# Altium PCB scoreboard.PcbDoc
Units mil, origin at the board's own origin, x right, y up, seen from the top; angles counter-clockwise.
Board outline 3937.01 x 3937.01 mil, 2 copper layers (Top Layer, Bottom Layer); 56 components, 74 nets, 317 pads, 130 vias.
Unrouted connection lines stored in the file: 31.
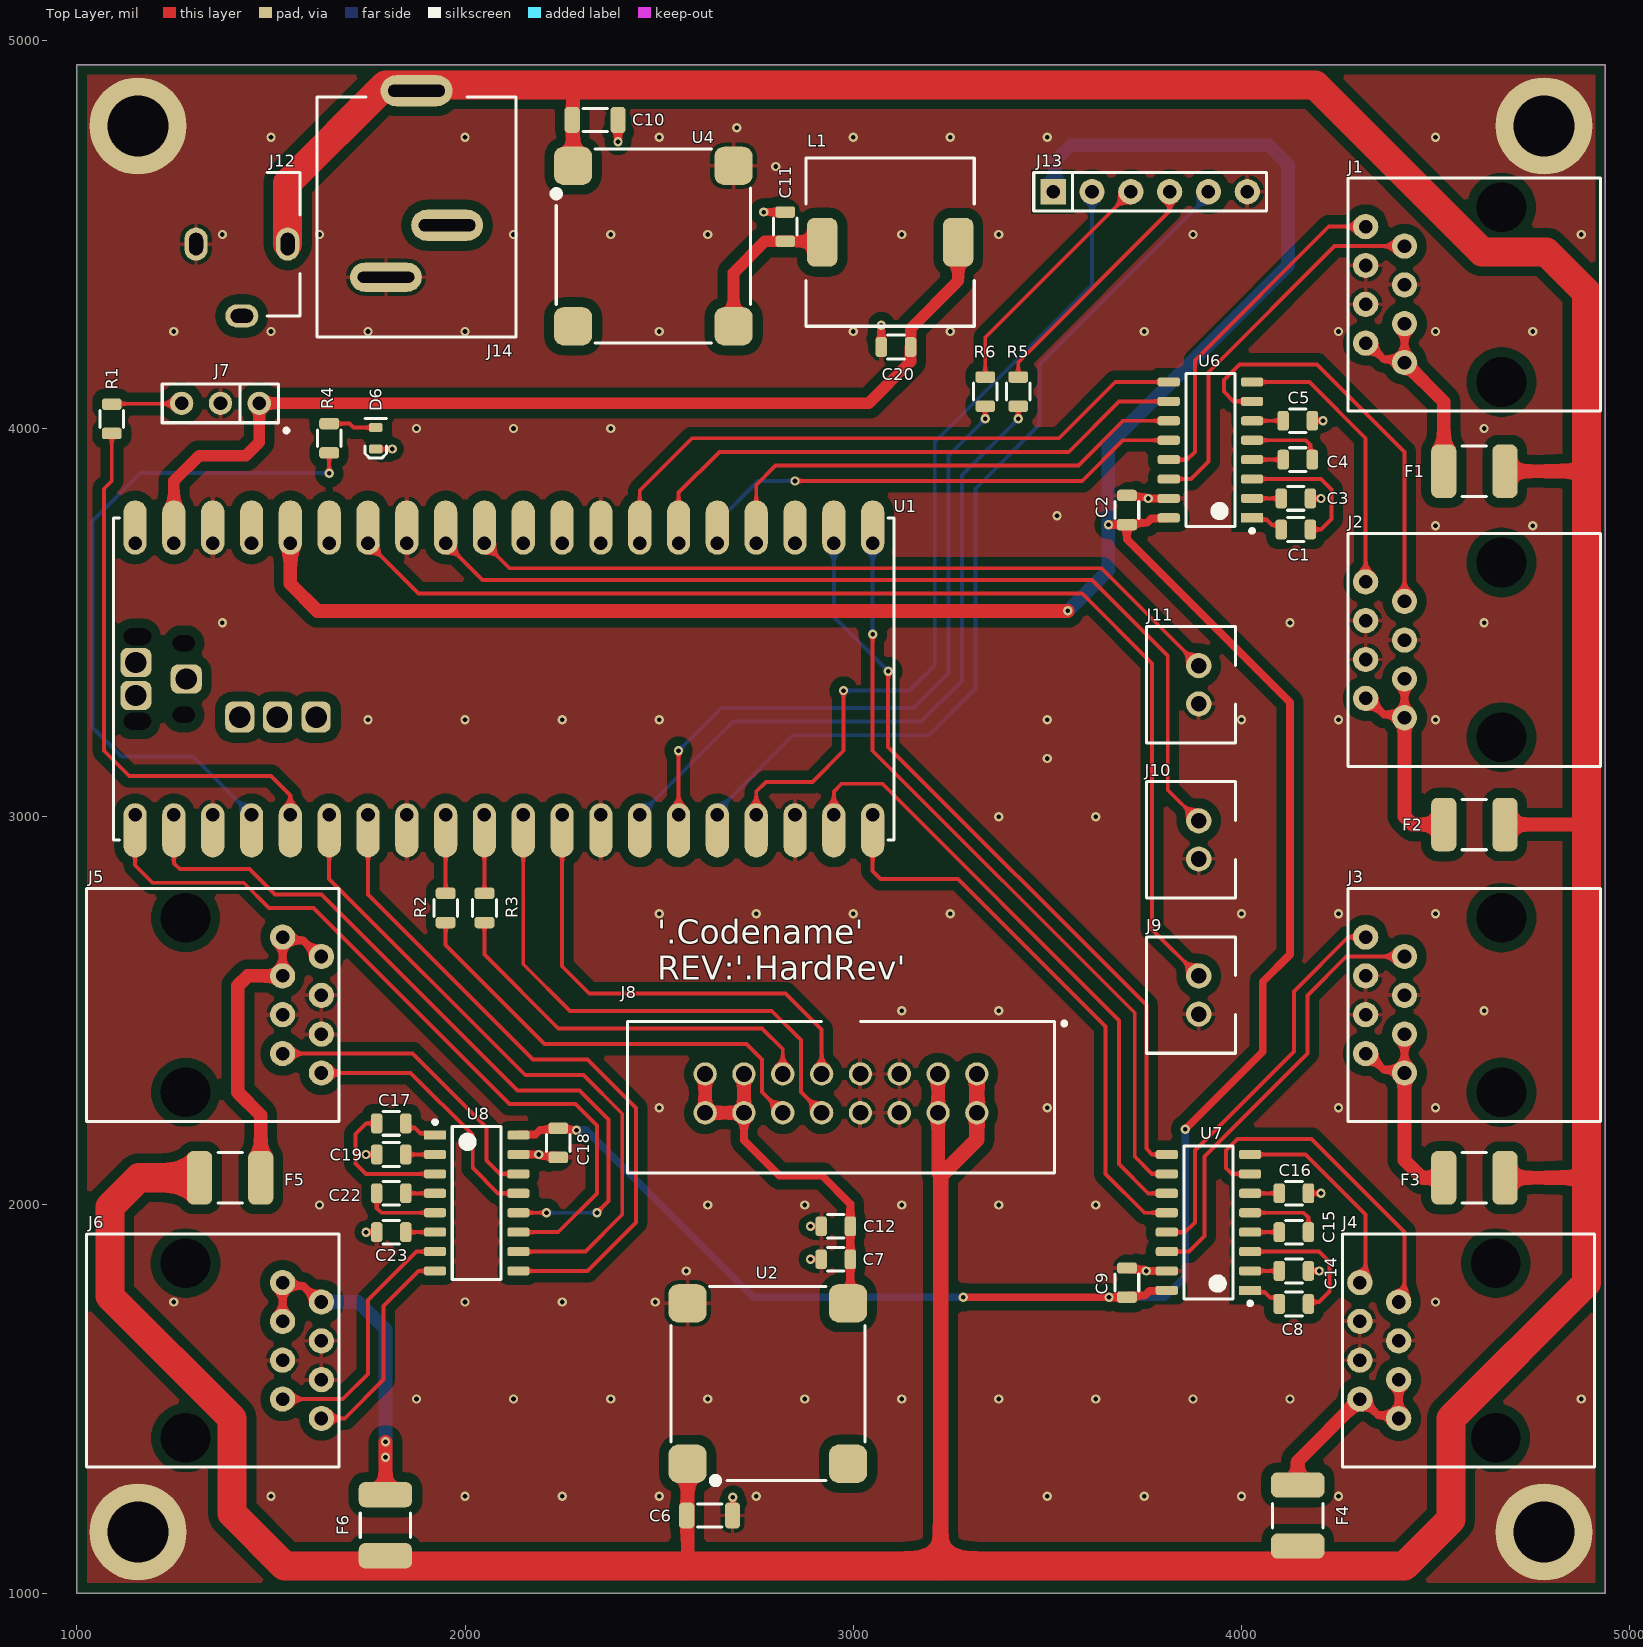
[diagram p0: Top Layer view]
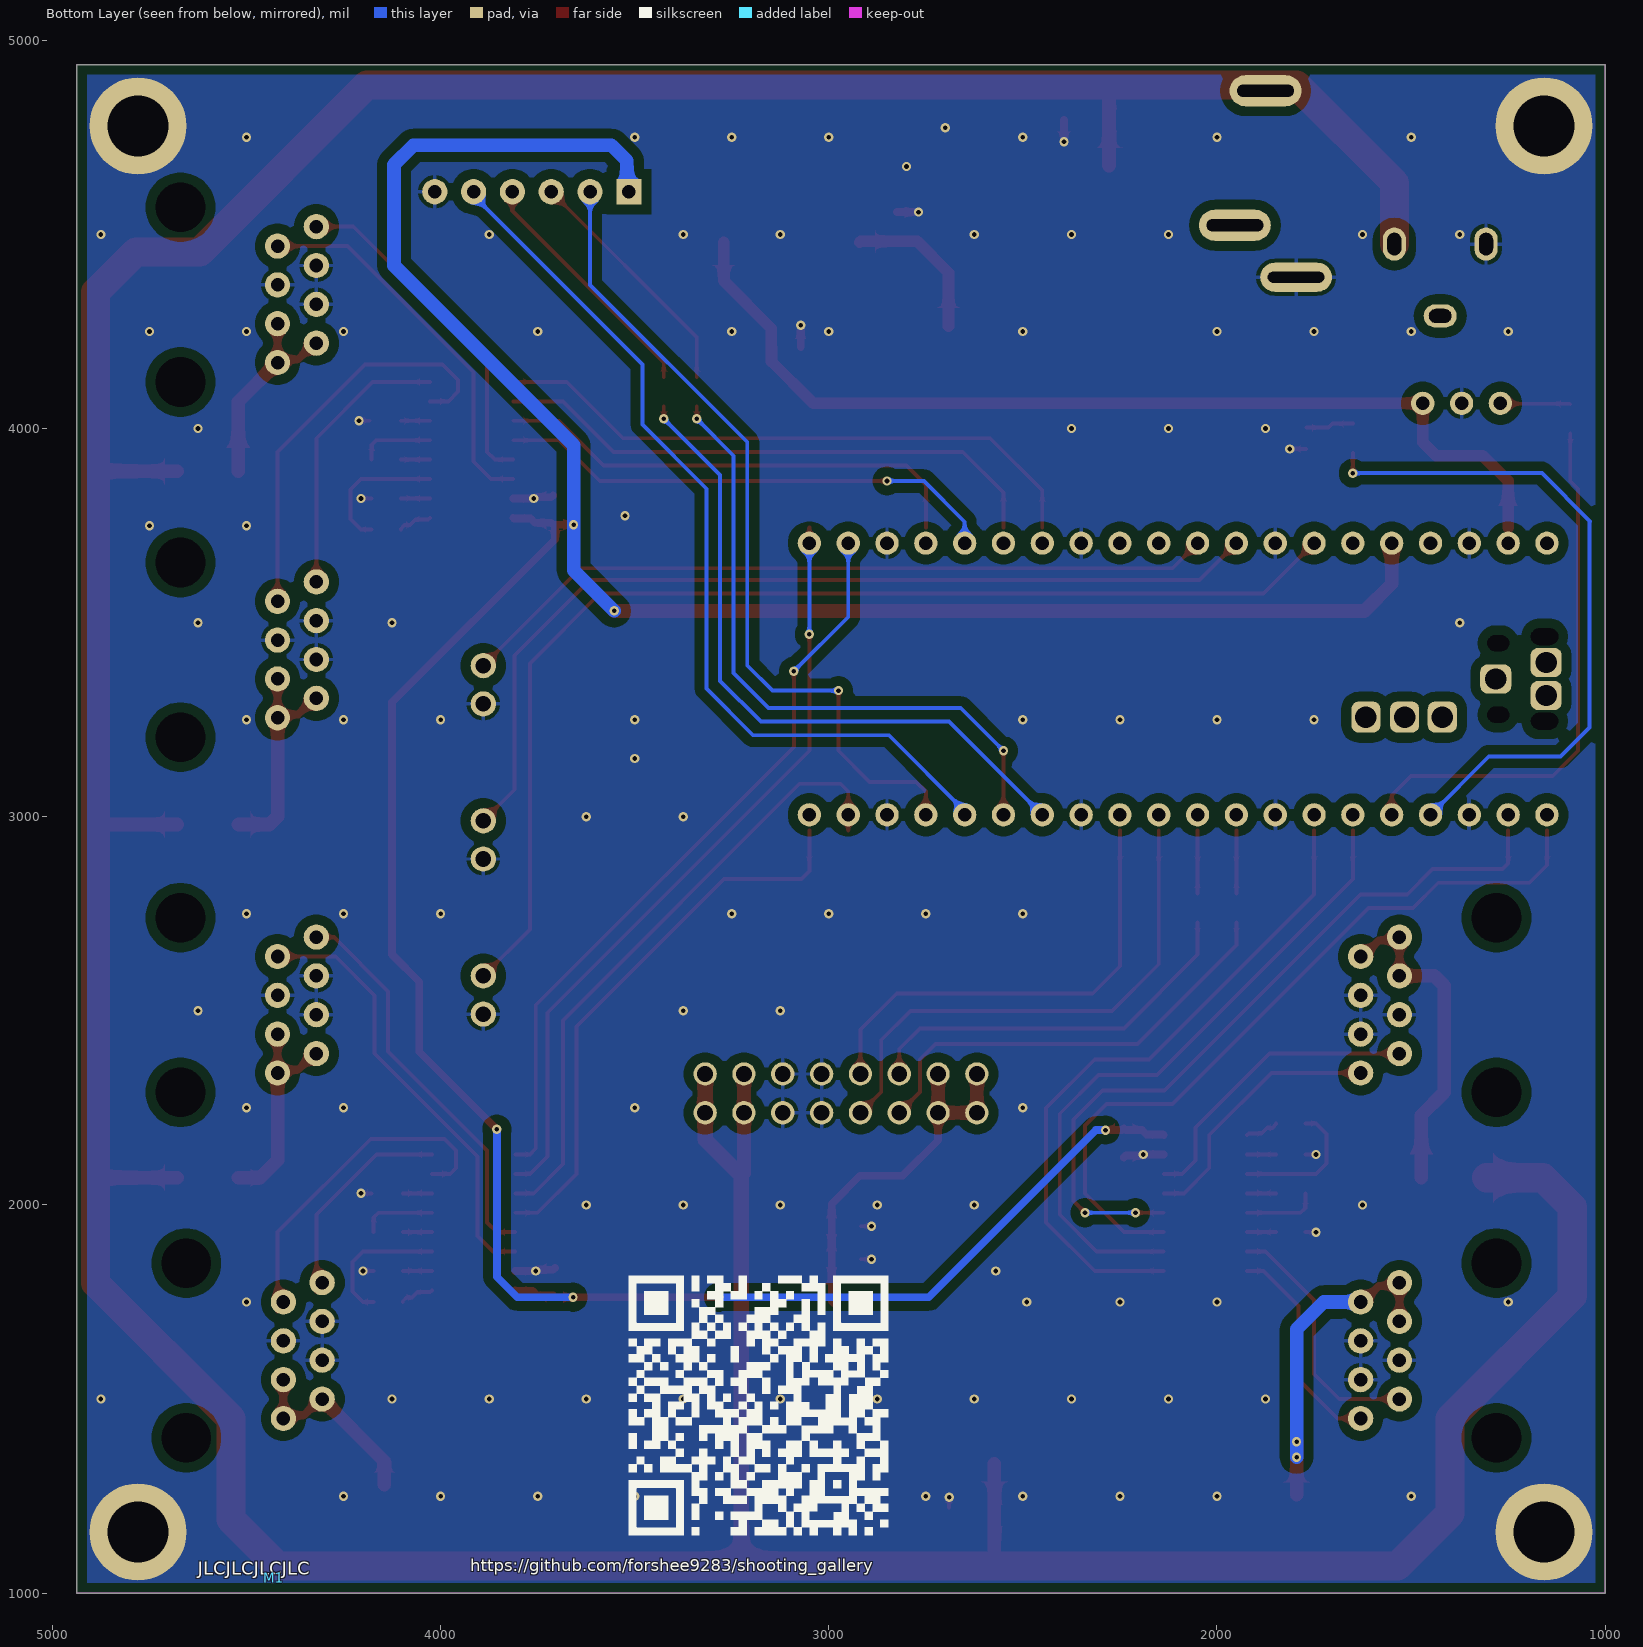
[diagram p1: Bottom Layer view, seen from below]

## Layer stack, top to bottom
Top Solder: solder mask 0.4, Solder Resist, Dk 3.5
Top Layer: signal copper 1.4
Dielectric 1: dielectric 12.6, FR-4, Dk 4.8
Bottom Layer: signal copper 1.4
Bottom Solder: solder mask 0.4, Solder Resist, Dk 3.5

## Board outline
1000,1000 4937.01,1000 4937.01,4937.01 1000,4937.01

## Design rules (kind name [scope] priority, off if disabled: settings)
Clearance Clearance_Poly [InPolygon] p1: gap=25 ignorepadtopadclearanceinfootprint=FALSE
Clearance [All] p2: gap=10 ignorepadtopadclearanceinfootprint=FALSE
HoleSize [All] p1: absolutevalues=TRUE maxlimit=99999 minlimit=1 maxpercent=80.000 minpercent=20.000
MinimumSolderMaskSliver [All] p1: minsoldermaskwidth=2
PolygonConnect PolygonConnect_Mount [IsPad and not InAnyComponent] p1: connectstyle=Direct reliefconductorwidth=10 reliefentries=4 polygonreliefangle="90 Angle" airgapwidth=10
PolygonConnect [All] p2: thpad.connectstyle=Relief thpad.reliefconductorwidth=10 thpad.reliefentries=4 thpad.polygonreliefangle="90 Angle" thpad.airgapwidth=10 smdpad.connectstyle=Relief smdpad.reliefconductorwidth=10 smdpad.reliefentries=4 smdpad.polygonreliefangle="90 Angle" smdpad.airgapwidth=10 via.connectstyle=Direct via.reliefconductorwidth=10 via.reliefentries=4 via.polygonreliefangle="90 Angle" via.airgapwidth=10
RoutingVias [All] p1: holewidth=28 width=50 viastyle="Through Hole" minholewidth=28 minwidth=50 maxholewidth=28 maxwidth=50
SilkToSilkClearance [All] p1: silktosilkclearance=0
SilkToSolderMaskClearance [IsPad] p1: minsilkscreentomaskgap=1 clearancetoexposedcopper=TRUE
SolderMaskExpansion [All] p1: expansion=2 istentingtop=FALSE
Width [All] p1: maxlimit=9999 minlimit=10 preferedwidth=10
26 further rules are at their usual default settings.

## Classes and differential pairs
component class RS232: C1 C2 C3 C4 C5 C8 C9 C14 C15 C16 C17 C18 C19 C22 C23 C? F1 F2 F3 F4 F5 F6 J1 J2 J3 J4 J5 J6 U6 U7 U8 U?
component class pico: C6 C7 C10 C11 C12 C20 D6 J7 J8 J9 J10 J11 J12 J13 J14 L1 M1 R1 R2 R3 R4 R5 R6 U1 U2 U4

## Components (designator, comment, footprint, x,y, rotation, side; value= is the part's Value field where it differs from the comment)
C1 "0.1µF" Chip0805 4140,3740 r180 top
C2 "0.1µF" Chip0805 3705,3790 r270 top
C3 "0.1µF" Chip0805 4140,3820 r180 top
C4 "0.1µF" Chip0805 4145,3920 r180 top
C5 "0.1µF" Chip0805 4145,4020 r180 top
C6 "10µF" Chip1206 2630,1200 r180 top
C7 "22µF" Chip0805 2955,1860 r0 top
C8 "0.1µF" Chip0805 4135,1745 r180 top
C9 "0.1µF" Chip0805 3705,1800 r270 top
C10 "10µF" Chip1206 2335,4795 r180 top
C11 "22µF" Chip0805 2825,4520 r270 top
C12 "22µF" Chip0805 2955,1945 r0 top
C14 "0.1µF" Chip0805 4135,1830 r180 top
C15 "0.1µF" Chip0805 4135,1930 r180 top
C16 "0.1µF" Chip0805 4135,2030 r180 top
C17 "0.1µF" Chip0805 1810,2210 r0 top
C18 "0.1µF" Chip0805 2240,2160 r90 top
C19 "0.1µF" Chip0805 1810,2130 r0 top
C20 "22µF" Chip0805 3110,4210 r0 top
C22 "0.1µF" Chip0805 1810,2030 r0 top
C23 "0.1µF" Chip0805 1810,1930 r0 top
D6 "GREEN" LED0603 1770,3975 r270 top
F1 "350mA" Chip1812 4600,3890 r180 top
F2 "350mA" Chip1812 4600,2980 r180 top
F3 "350mA" Chip1812 4600,2070 r180 top
F4 "350mA" Chip1812 4145,1200 r90 top
F5 "350mA" Chip1812 1395,2070 r0 top
F6 "350mA" Chip1812 1795,1175 r90 top
J1 "949" KEYSTONE_949 4670,4345 r90 top
J2 "949" KEYSTONE_949 4670,3430 r90 top
J3 "949" KEYSTONE_949 4670,2515 r90 top
J4 "949" KEYSTONE_949 4655,1625 r90 top
J5 "949" KEYSTONE_949 1280,2515 r270 top
J6 "949" KEYSTONE_949 1280,1625 r270 top
J7 "3-644456-3" TE_3-644456-3 1370,4065 r180 top
J8 "75869-103LF" IDC_100_2x8 2968.5,2287.48 r180 top
J9 "B2B-XH-A" JST_B2B-XH-A 3890,2540.79 r90 top
J10 "B2B-XH-A" JST_B2B-XH-A 3890,2940.39 r90 top
J11 "B2B-XH-A" JST_B2B-XH-A 3890,3340 r90 top
J12 "PJ-102B" CUI_PJ-102B 1425,4475 r90 top
J13 "3-644456-6" TE_3-644456-6 3765,4610 r0 top
J14 "PJ-009BH" CUI_PJ-009BH 1875,4630 r0 top
L1 "22µH" Sumida_CDRH105R 3095.2,4480 r90 top
M1 "JLC_NUMBER" JLC_NUMBER 4430,1040 r180 bottom
R1 "330" Chip0805 1090,4025 r90 top
R2 "22.1" Chip0805 1950,2765 r270 top
R3 "22.1" Chip0805 2050,2765 r270 top
R4 "470" Chip0805 1650,3975 r270 top
R5 "22.1" Chip0805 3425,4095 r90 top
R6 "22.1" Chip0805 3340,4095 r90 top
U1 "Raspberry Pi Pico" RASPBERRY_PI_PICO 2100,3355 r90 top
U2 "K7803JT-500R3-LB" MORNSUN_K78XXJT-500R3-LB 2780,1540 r90 top
U4 "K7805JT-500R3-LB" MORNSUN_K78XXJT-500R3-LB 2485,4470 r0 top
U6 "MAX3232EIDR" 16-SOIC 3920,3945 r180 top
U7 "MAX3232EIDR" 16-SOIC 3915,1955 r180 top
U8 "MAX3232EIDR" 16-SOIC 2030,2005 r0 top

## Footprints (in the part's own frame and the unit in brackets; to place one, negate y for a bottom-side part, rotate by r counter-clockwise, add the part's x,y. Pads: shape width x height; smd on the part's side, far side on the other; paste and mask are expansions set on the pad)
16-SOIC [mm] "SOIC, 16-Leads, Body 9.90x3.90mm, Pitch 1.27mm, IPC Medium Density"
  rect 1.45x0.6 smd: 1(-2.725,4.445)
  rrect50% 1.45x0.6 smd: 2(-2.725,3.175) 3(-2.725,1.905) 4(-2.725,0.635) 5(-2.725,-0.635) 6(-2.725,-1.905) 7(-2.725,-3.175) 8(-2.725,-4.445) 9(2.725,-4.445) 10(2.725,-3.175) 11(2.725,-1.905) 12(2.725,-0.635) 13(2.725,0.635) 14(2.725,1.905) 15(2.725,3.175) 16(2.725,4.445)
  silkscreen extent -2.85,-5 1.6,5.42, body extent -2,-5 2,5, height 1.75
Chip0805 [mm] "Chip Resistor, 2-Leads, Body 2.05x1.25mm, IPC Medium Density"
  rrect50% 0.75x1.3 smd: 1(-0.955,0) 2(0.955,0)
  silkscreen extent -0.55,-0.77 0.55,0.77, body extent -0.95,-0.55 0.95,0.55, height 0.5
Chip1206 [mm] "Chip Resistor, 2-Leads, Body 3.15x1.60mm, IPC Medium Density"
  rrect50% 1x1.7 smd: 1(-1.5,0) 2(1.5,0)
  silkscreen extent -0.8,-0.75 0.8,0.75, body extent -1.5,-0.72 1.5,0.72, height 0.6
Chip1812 [mm] "Chip Resistor, 2-Leads, Body 4.50x3.20mm, IPC Medium Density"
  rrect50% 1.65x3.5 smd: 1(-2,0) 2(2,0)
  silkscreen extent -0.8,-1.65 0.8,1.65, body extent -2.4,-1.75 2.4,1.75, height 2.2
CUI_PJ-009BH [mil]
  oval 185x80 hole 32 slot 146 at 0 deg: 1(0,240.16) 3(78.74,-106.3)
  oval 185x75 hole 27.56 slot 145.67 at 0 deg: 2(-78.74,-240.16)
  silkscreen extent -256,-394 256,224
CUI_PJ-102B [mil]
  oval 85x60 hole 36 slot 58 at 0 deg: 1(0,-118) 2(0,118)
  oval 60x85 hole 36 slot 58 at 90 deg: 3(-185,0)
  silkscreen extent -185,-150 185,-65, body extent -195,-145 175,422, height 452
IDC_100_2x8 [mil]
  round 60 hole 41: 1(-350,-50) 2(-350,50) 3(-250,-50) 4(-250,50) 5(-150,-50) 6(-150,50) 7(-50,-50) 8(-50,50) 9(50,-50) 10(50,50) 11(150,-50) 12(150,50) 13(250,-50) 14(250,50) 15(350,-50) 16(350,50)
  silkscreen extent -580,-185 550,205, body extent -542,-175 542,190, height 368
JLC_NUMBER [mil]
JST_B2B-XH-A [mil]
  round 65 hole 40: 1(49.21,0) 2(-49.21,0)
  silkscreen extent -150,-95 150,135, body extent -146,-93 146,133, height 276
KEYSTONE_949 [mil]
  round 0 hole 128: 0(-225,0) 0(225,0)
  round 65 hole 35: 1(-175,250) 2(-125,350) 3(-75,250) 4(-25,350) 5(25,250) 6(75,350) 7(125,250) 8(175,350)
  silkscreen extent -300,-255 300,395, body extent -302,-255 302,395, height 638
LED0603 [mm] "Chip LED, 2-Leads, Body 1.57x0.85mm, IPC Medium Density"
  rrect50% 0.6x0.9 smd: 1(-0.7,0) 2(0.7,0)
  silkscreen extent -1.3,-0.7 1.3,0.7, body extent -0.82,-0.37 0.83,0.36, height 0.68
MORNSUN_K78XXJT-500R3-LB [mm]
  rrect50% 2.5x2.5 smd: 1(-5.25,5.25) 2(-5.25,-5.25) 3(5.25,-5.25) 4(5.25,5.25)
  silkscreen extent -6.53,-6.35 6.35,6.35, body extent -6.06,-6.06 6.06,6.06, height 4.52
RASPBERRY_PI_PICO [mil]
  round 5 hole 43.31 slot 70.87 at 90 deg unplated: 0(-108.9,943.82) 0(108.9,943.82)
  round 5 hole 41.34 slot 57.09 at 90 deg unplated: 0(-92.09,824.53) 0(92.09,824.53)
  oval 140x60 smd: 1(-390,950) 2(-390,850) 3(-390,750) 4(-390,650) 5(-390,550) 6(-390,450) 7(-390,350) 8(-390,250) 9(-390,150) 10(-390,50) 11(-390,-50) 12(-390,-150) 13(-390,-250) 14(-390,-350) 15(-390,-450) 16(-390,-550) 17(-390,-650) 18(-390,-750) 19(-390,-850) 20(-390,-950) 21(390,-950) 22(390,-850) 23(390,-750) 24(390,-650) 25(390,-550) 26(390,-450) 27(390,-350) 28(390,-250) 29(390,-150) 30(390,-50) 31(390,50) 32(390,150) 33(390,250) 34(390,350) 35(390,450) 36(390,550) 37(390,650) 38(390,750) 39(390,850) 40(390,950)
  round 60 hole 35: 1(-350,950) 2(-350,850) 3(-350,750) 4(-350,650) 5(-350,550) 6(-350,450) 7(-350,350) 8(-350,250) 9(-350,150) 10(-350,50) 11(-350,-50) 12(-350,-150) 13(-350,-250) 14(-350,-350) 15(-350,-450) 16(-350,-550) 17(-350,-650) 18(-350,-750) 19(-350,-850) 20(-350,-950) 21(350,-950) 22(350,-850) 23(350,-750) 24(350,-650) 25(350,-550) 26(350,-450) 27(350,-350) 28(350,-250) 29(350,-150) 30(350,-50) 31(350,50) 32(350,150) 33(350,250) 34(350,350) 35(350,450) 36(350,550) 37(350,650) 38(350,750) 39(350,850) 40(350,950)
  rrect50% 75x80 hole 55: TP1(0,818.11) TP2(42.5,948.03) TP3(-42.5,948.03)
  rrect50% 80x75 hole 55: TP4(-98.43,680.32) TP5(-98.43,583.46) TP6(-98.43,483.46)
  silkscreen extent -415,-1005 415,1005, body extent -413,-1005 413,1054, height 147
Sumida_CDRH105R [mm] "Sumida CDRH105R series"
  rrect50% 3.2x2 smd: 1(0,4.45) 2(0,-4.45)
  silkscreen extent -5.5,-5.5 5.5,5.5, body extent -5.15,-5.15 5.15,5.15, height 5.1
TE_3-644456-3 [mil]
  round 60 hole 35: 1(-100,0) 2(0,0) 3(100,0)
  silkscreen extent -175,-50 150,75, body extent -144,-46 144,46, height 395
TE_3-644456-6 [mil]
  rect 65x65 hole 35: 1(-250,0)
  round 65 hole 35: 2(-150,0) 3(-50,0) 4(50,0) 5(150,0) 6(250,0)
  silkscreen extent -300,-50 300,50, body extent -294,-46 294,46, height 395

## Part data
C1 C2 C3 C4 C5 C8 C9 C14 C15 C16 C17 C18 C19 C22 C23: library part C2012X7T2E104K125AA, "CAP CER 0.1UF 250V 10% X7T 0805", Manufacturer="TDK Corporation", Operating Temperature="-55°C ~ 125°C", Package / Case="0805 (2012 Metric)", Ratings=-, Supplier Part Number 1=445-7749-1-ND, Temperature Coefficient=X7T, Tolerance=±10%, Voltage=250V, Applications="General Purpose", Capacitance=0.1µF, Features=-, Height - Seated (Max)=-, HelpURL=http://product.tdk.com/capacitor/mlcc/en/documents/mlcc_commercial_midvoltage_en.pdf, Lead Spacing=-, Lead Style=-, Manufacturer Part Number=C2012X7T2E104K125AA, Mounting Type="Surface Mount, MLCC", PartNumber=C2012X7T2E104K125AA, Series=C, Size / Dimension="0.079\" L x 0.049\" W (2.00mm x 1.25mm)", Supplier 1=Digi-Key, Supplier 2=Mouser, Thickness (Max)="0.057\" (1.45mm)"
C6 C10: library part C3216X5R1H106K160AB, "CAP CER 10UF 50V 10% X5R 1206", Manufacturer="TDK Corporation", Operating Temperature="-55°C ~ 85°C", Package / Case="1206 (3216 Metric)", Ratings=-, Supplier Part Number 1=445-5998-1-ND, Temperature Coefficient=X5R, Tolerance=±10%, Voltage=50V, Applications="General Purpose", Capacitance=10µF, Features=-, Height - Seated (Max)=-, HelpURL=http://product.tdk.com/capacitor/mlcc/en/documents/mlcc_commercial_general_en.pdf, Lead Spacing=-, Lead Style=-, Manufacturer Part Number=C3216X5R1H106K160AB, Mounting Type="Surface Mount, MLCC", PartNumber=C3216X5R1H106K160AB, Series=C, Size / Dimension="0.126\" L x 0.063\" W (3.20mm x 1.60mm)", Supplier 1=Digi-Key, Supplier 2=Mouser, Thickness (Max)="0.071\" (1.80mm)"
C7 C11 C12 C20: library part C2012X5R1A226M085AC, "CAP CER 22UF 10V 20% X5R 0805", Manufacturer="TDK Corporation", Operating Temperature="-55°C ~ 85°C", Package / Case="0805 (2012 Metric)", Ratings=-, Supplier Part Number 1=445-7663-1-ND, Temperature Coefficient=X5R, Tolerance=±20%, Voltage=10V, Applications="General Purpose", Capacitance=22µF, Features=-, Height - Seated (Max)=-, HelpURL=http://product.tdk.com/capacitor/mlcc/en/documents/mlcc_commercial_general_en.pdf, Lead Spacing=-, Lead Style=-, Manufacturer Part Number=C2012X5R1A226M085AC, Mounting Type="Surface Mount, MLCC", PartNumber=C2012X5R1A226M085AC, Series=C, Size / Dimension="0.079\" L x 0.049\" W (2.00mm x 1.25mm)", Supplier 1=Digi-Key, Supplier 2=Mouser, Thickness (Max)="0.037\" (0.95mm)"
D6: library part LTST-C191GKT, "LED GREEN CLEAR THIN 0603 SMD", Color=Green, Manufacturer="Lite-On Inc", Supplier Part Number 1=160-1443-1-ND, Datasheets=http://optoelectronics.liteon.com/upload/download/DS22-2000-300/S_110_LTST-C191TGKT.pdf, Manufacturer Part Number=LTST-C191GKT, PartNumber=LTST-C191GKT, Supplier 1=Digi-Key, Supplier 2=Mouser, Supplier Part Number 2=859-LTST-C191GKT
F1 F2 F3 F4 F5 F6: library part 0ZCG0035AF2C, "PTC RESET FUSE 30V 350MA 1812", Manufacturer="Bel Fuse Inc.", Supplier Part Number 1=507-1760-1-ND, Current_Hold=350mA, HelpURL=https://www.belfuse.com/resources/datasheets/circuitprotection/ds-cp-0zcg-series.pdf, Manufacturer Part Number=0ZCG0035AF2C, PartNumber=0ZCG0035AF2C, Supplier 1=Digi-Key, Supplier 2=Mouser, Supplier 3=LCSC, Supplier Part Number 2=530-0ZCG0035AF2C, Supplier Part Number 3=C3762402
J1 J2 J3 J4 J5 J6: "CONN MOD JACK 8P8C VERT UNSHLD", Manufacturer="Keystone Electronics", Supplier Part Number 1=36-949-ND, HelpURL=https://www.keyelco.com/product-pdf.cfm?p=14078, Manufacturer Part Number=949, PartNumber=949, Supplier 1=Digi-Key, Supplier 2=Mouser, Supplier Part Number 2=534-949
J7: "CONN HEADER VERT 3POS .100 TIN", Manufacturer="TE Connectivity", Supplier Part Number 1=A31113-ND, HelpURL=http://www.te.com/commerce/DocumentDelivery/DDEController?Action=srchrtrv&DocNm=644456&DocType=Customer+Drawing&DocLang=English, Manufacturer Part Number=3-644456-3, PartNumber=3-644456-3, Supplier 1=Digi-Key, Supplier 2=Mouser, Supplier Part Number 2=571-3-644456-3
J8: "CONN HEADER 16POS DUAL VERT PCB", Manufacturer=FCI, Supplier Part Number 1=609-1775-ND, HelpURL=http://portal.fciconnect.com/Comergent//fci/drawing/75869.pdf, Manufacturer Part Number=75869-103LF, PartNumber=75869-103LF, Supplier 1=Digi-Key, Supplier 2=Mouser, Supplier Part Number 2=649-75869-103LF
J9 J10 J11: "CONN HEADER VERT 2POS 2.5MM", Manufacturer="JST Sales America Inc.", Supplier Part Number 1=455-B2B-XH-A-ND, HelpURL=https://www.jst-mfg.com/product/pdf/eng/eXH.pdf, Manufacturer Part Number=B2B-XH-A, PartNumber=B2B-XH-A, Supplier 1=Digi-Key, Supplier 2=Mouser
J12: "CONN PWR JACK 2.5X5.5MM SOLDER", Manufacturer="CUI Devices", Supplier Part Number 1=CP-102B-ND, HelpURL=https://www.cuidevices.com/product/resource/pj-102b.pdf, Manufacturer Part Number=PJ-102B, PartNumber=PJ-102B, Supplier 1=Digi-Key, Supplier 2=Mouser, Supplier Part Number 2=490-PJ-102B
J13: "CONN HEADER VERT 6POS .100 TIN", Manufacturer="TE Connectivity", Supplier Part Number 1=A31116-ND, HelpURL=http://www.te.com/commerce/DocumentDelivery/DDEController?Action=srchrtrv&DocNm=644456&DocType=Customer+Drawing&DocLang=English, Manufacturer Part Number=3-644456-6, PartNumber=3-644456-6, Supplier 1=Digi-Key, Supplier 2=Mouser, Supplier Part Number 2=571-3-644456-6
J14: "CONN PWR JACK 2.5X5.5MM SOLDER", Manufacturer="CUI Devices", Supplier Part Number 1=CP-009BH-ND, HelpURL=https://www.cuidevices.com/product/resource/pj-009bh.pdf, Manufacturer Part Number=PJ-009BH, PartNumber=PJ-009BH, Supplier 1=Digi-Key, Supplier 2=Mouser, Supplier Part Number 2=490-PJ-009BH
L1: library part CDRH105RNP-220NC, "INDUCTOR POWER 22UH 2.95A SMD", Current - Saturation=2.95A, Current Rating=2.9A, DC Resistance (DCR)="61 mOhm Max", Frequency - Self Resonant=0, Frequency - Test=100kHz, Manufacturer="Sumida America Components Inc", Operating Temperature="-40°C ~ 100°C", Package / Case="Non Standard", Supplier Part Number 1=308-2173-1-ND, Tolerance=±30%, Height - Seated (Max)="0.201\" (5.10mm)", HelpURL=http://www.sumida.com/products/pdf/CDRH105R.pdf, Inductance=22µH, Manufacturer Part Number=CDRH105RNP-220NC, Material - Core=Ferrite, Mounting Type="Surface Mount", PartNumber=CDRH105RNP-220NC, Q @ Freq=0, Series=CDRH105R, Shielding=Shielded, Size / Dimension="0.402\" L x 0.394\" W (10.20mm x 10.00mm)", Supplier 1=Digi-Key, Supplier 2=Mouser, Type=0
M1: "JLC Order Number Location", Manufacturer Part Number=JLC_NUMBER, PartNumber=JLC_NUMBER
R1: library part CRCW0805330RFKEA, "RES 330 OHM 1/8W 1% 0805 SMD", Manufacturer="Vishay Dale", Package / Case="0805 (2012 Metric)", Power (Watts)="0.125W, 1/8W", Supplier Part Number 1=541-330CCT-ND, Temperature Coefficient=±100ppm/°C, Tolerance=±1%, Composition="Thick Film", Features="Automotive AEC-Q200 Qualified", Height="0.020\" (0.50mm)", HelpURL=http://www.vishay.com/doc?20035, Manufacturer Part Number=CRCW0805330RFKEA, Number of Terminations=2, PartNumber=CRCW0805330RFKEA, Resistance=330, Series=CRCW, Size / Dimension="0.079\" L x 0.049\" W (2.00mm x 1.25mm)", Supplier 1=Digi-Key, Supplier 2=Mouser, Supplier Device Package="0805 (2012 Metric)"
R2 R3 R5 R6: library part CRCW080522R1FKEA, "RES 22.1 OHM 1/8W 1% 0805 SMD", Manufacturer="Vishay Dale", Package / Case="0805 (2012 Metric)", Power (Watts)="0.125W, 1/8W", Supplier Part Number 1=541-22.1CCT-ND, Temperature Coefficient=±100ppm/°C, Tolerance=±1%, Composition="Thick Film", Features="Automotive AEC-Q200 Qualified", Height="0.020\" (0.50mm)", HelpURL=http://www.vishay.com/doc?20035, Manufacturer Part Number=CRCW080522R1FKEA, Number of Terminations=2, PartNumber=CRCW080522R1FKEA, Resistance=22.1, Series=CRCW, Size / Dimension="0.079\" L x 0.049\" W (2.00mm x 1.25mm)", Supplier 1=Digi-Key, Supplier 2=Mouser, Supplier Device Package="0805 (2012 Metric)"
R4: library part CRCW0805470RFKEA, "RES 470 OHM 1/8W 1% 0805 SMD", Manufacturer="Vishay Dale", Package / Case="0805 (2012 Metric)", Power (Watts)="0.125W, 1/8W", Supplier Part Number 1=541-470CCT-ND, Temperature Coefficient=±100ppm/°C, Tolerance=±1%, Composition="Thick Film", Features="Automotive AEC-Q200 Qualified", Height="0.020\" (0.50mm)", HelpURL=http://www.vishay.com/doc?20035, Manufacturer Part Number=CRCW0805470RFKEA, Number of Terminations=2, PartNumber=CRCW0805470RFKEA, Resistance=470, Series=CRCW, Size / Dimension="0.079\" L x 0.049\" W (2.00mm x 1.25mm)", Supplier 1=Digi-Key, Supplier 2=Mouser, Supplier Device Package="0805 (2012 Metric)"
U1: "RASPBERRY PI PICO RP2040 BOARD", Manufacturer="Raspberry Pi", Manufacturer Part Number=SC0915, Supplier Part Number 1=2648-SC0915CT-ND, PartNumber="Raspberry Pi Pico", Supplier 1=Digi-Key
U2: "LINEAR REGULATOR REPLACEMENT DC", Manufacturer="Mornsun America, LLC", Supplier Part Number 1=2725-K7803JT-500R3-LBCT-ND, HelpURL=https://www.mornsun-power.com/html/pdf/K7803JT-500R3-LB.html, Manufacturer Part Number=K7803JT-500R3-LB, PartNumber=K7803JT-500R3-LB, Supplier 1=Digi-Key
U4: "LINEAR REGULATOR REPLACEMENT DC", Current - Output=500mA, Frequency - Switching=700kHz, Manufacturer="Mornsun America, LLC", Supplier Part Number 1=2725-K7805JT-500R3-LBCT-ND, Voltage - Input=6.5-36V, Voltage - Output=5V, HelpURL=https://www.mornsun-power.com/html/pdf/K7805JT-500R3-LB.html, Manufacturer Part Number=K7805JT-500R3-LB, Number of Outputs=1, Output Type=Fixed, PartNumber=K7805JT-500R3-LB, Supplier 1=Digi-Key
U6 U7 U8: "IC TRANSCEIVER FULL 2/2 16SOIC", Manufacturer="Texas Instruments", Supplier Part Number 1=296-19752-1-ND, HelpURL=https://www.ti.com/lit/ds/symlink/max3232e.pdf?HQS=dis-dk-null-digikeymode-dsf-pf-null-wwe&ts=1710373009473&ref_url=https%253A%252F%252Fwww.ti.com%252Fgeneral%252Fdocs%252Fsuppproductinfo.tsp%253FdistId%253D10%2526gotoUrl%253Dhttps%253A%252F%252Fwww.ti.com%252Flit%252Fgpn%252Fmax3232e, Manufacturer Part Number=MAX3232EIDR, PartNumber=MAX3232EIDR, Supplier 1=Digi-Key, Supplier 2=Mouser, Supplier Part Number 2=595-MAX3232EIDR

## Free pads (board coordinates)
  round 250 hole 158: ""(1157.48,1157.48) ""(1157.48,4779.53) ""(4779.53,1157.48) ""(4779.53,4779.53)

## Via types
v1: diameter 24, hole 12, Top Layer to Bottom Layer, tented both sides, 130 vias

## Nets (pads, with @x,y where several pads share a name; then routed paths per layer and width w, separated by ;. In a path a pad name is that pad's centre, name@x,y a point inside that pad or via, vN(x,y) a via of type N, cw(c..) or ccw(c..) an arc to the next point about the centre after c; other vN are vias at no path point)
3.3V: C2.2 C9.2 C18.2 J13.1 U1.36 U6.16 U7.16 U8.16 | length 8704.1
  Top Layer w20: U8.16 2139.09,2181.81 2181.81,2181.81 2192.83,2192.83 2235.24,2192.83 C18.2 2244.76,2192.83 v1(2287.17,2192.83) ; v1(3283.48,1762.4) v1(3658.68,1762.4) C9.2 3709.76,1767.17 3752.17,1767.17 3763.19,1778.19 3805.91,1778.19 U7.16 ; v1(3657.4,3752.4) C2.2 3705,3715 4125,3295 4125,2645 4055,2575 4055,2395 v1(3855,2195) ; C2.2@3710,3752.4 3714.76,3757.17 3757.17,3757.17 3768.19,3768.19 3810.91,3768.19 U6.16
  Top Layer w35: U1.36@1550,3705 1550,3600 1620,3530 3552.63,3530 v1(3552.9,3530.27)
  Bottom Layer w20: v1@2288.25,2192.83 2312.17,2192.83 2742.6,1762.4 v1(3283.48,1762.4) ; v1(3658.68,1762.4) 3802.4,1762.4 3855,1815 v1(3855,2195)
  Bottom Layer w35: J13.1 3520,4615 3520,4690 3560,4730 4070,4730 4120,4680 4120,4420 3657.4,3957.4 v1(3657.4,3752.4) 3657.4,3634.77 v1(3552.9,3530.27)
3.3V_OUT: C7.2 C12.2 J8.13 J8.14 J8.15 J8.16 U2.3 | length 971.2
  Top Layer w20: J8.14 2718.5,2166.5 2810,2075 2920,2075 2992.6,2002.4 C12.2 C7.2 2992.6,1752.6 U2.3
  Top Layer w35: J8.15 J8.16 J8.14 J8.13
5V: C20.2 J7.1 L1.2 U1.39 | length 2561.9
  Top Layer w30: U1.39@1250,3745 1250,3865 1315,3930 1435,3930 1470,3965 J7.1 3040,4065 3147.6,4172.6 C20.2 3147.83,4210.24 3147.83,4257.83 3270.39,4380.39 L1.2
AUDIO: U1.29
GND: C2.1 C3.1 C5.1 C6.1 C7.1 C9.1 C10.1 C11.1 C12.1 C14.1 C16.1 C18.1 C19.1 C20.1 C23.1 D6.2 J1.4 J1.5 J1.6 J2.4 J2.5 J2.6 J3.4 J3.5 J3.6 J4.4 J4.5 J4.6 J5.4 J5.5 J5.6 J6.4 J6.5 J6.6 J7.2 J8.5 J8.6 J8.7 J8.8 J9.2 J10.2 J11.2 J12.2 J13.6 J14.2 pad. U1.3 U1.8 U1.13 U1.18 U1.23 U1.28 U1.33 U1.38 U2.4 U4.4 U6.15 U7.15 U8.15 | length 774.6
  Top Layer w10: v1(1745,1930) C23.1 ; v1(1745,2130) C19.1 ; D6.2 v1(1812.56,3947.44) ; C6.1@2690,1220 v1(2690,1247.4) ; v1(2890,1860) C7.1 ; v1(2890,1945) C12.1 ; C14.1 v1(4200,1830) ; C16.1@4177.6,2030 v1(4205,2030) ; C3.1 v1(4205,3820) ; C5.1 v1(4210,4020)
  Top Layer w20: U8.15 v1(2190,2130) 2191.08,2130 2193.92,2127.17 2235.24,2127.17 C18.1 ; v1(2394.06,4739.06) C10.1 ; v1(2769.06,4557.6) C11.1 ; C20.1 v1(3072.4,4265.94) ; C9.1 3709.76,1832.83 3751.08,1832.83 3753.92,1830 v1(3755,1830) U7.15 ; C2.1@3710,3827.6 3714.76,3822.83 3756.08,3822.83 3758.92,3820 v1(3760,3820) U6.15
  other v1: 1500,1250 2000,1250 2250,1250 2500,1250 2750,1250 3500,1250 3750,1250 4000,1250 4250,1250 1875,1500 2125,1500 2375,1500 2625,1500 2875,1500 3125,1500 3375,1500 3625,1500 3875,1500 4125,1500 4875,1500 1250,1750 2000,1750 2250,1750 2490,1750 4500,1750 2570,1830 1625,2000 2625,2000 2875,2000 3125,2000 3375,2000 3625,2000 2500,2250 3500,2250 4250,2250 4500,2250 3125,2500 3375,2500 4625,2500 2500,2750 2750,2750 3000,2750 3250,2750 4000,2750 4250,2750 4500,2750 3375,3000 3625,3000 3500,3150 1750,3250 2000,3250 2250,3250 2500,3250 3500,3250 4000,3250 4250,3250 4500,3250 1375,3500 4125,3500 4625,3500 4500,3750 4750,3750 3525,3775 1875,4000 2125,4000 2375,4000 4625,4000 1250,4250 1500,4250 1750,4250 2000,4250 2500,4250 3000,4250 3250,4250 3750,4250 4250,4250 4500,4250 4750,4250 1375,4500 1625,4500 2125,4500 2375,4500 2625,4500 3125,4500 3375,4500 3875,4500 4875,4500 2800,4675 1500,4750 2000,4750 2500,4750 3000,4750 3250,4750 3500,4750 4500,4750 2700,4775
NetC1_1: C1.1 U6.3 | length 357.5
  Top Layer w10: U6.3 4205,3870 4232,3843 4232,3767 4205,3740 C1.1
NetC1_2: C1.2 U6.1 | length 88.7
  Top Layer w10: U6.1 4031.71,3765.57 4064.43,3765.57 4078.5,3751.5 4092.82,3751.5 4102.4,3741.92 C1.2
NetC3_2: C3.2 U6.2 | length 75.1
  Top Layer w10: U6.2 C3.2
NetC4_1: C4.1 U6.5 | length 192.9
  Top Layer w10: U6.5 4165,3970 4177.6,3957.4 C4.1@4177.6,3920
NetC4_2: C4.2 U6.4 | length 75.1
  Top Layer w10: U6.4 C4.2@4102.4,3920
NetC5_2: C5.2 U6.6 | length 75.1
  Top Layer w10: U6.6 C5.2@4102.4,4020
NetC8_1: C8.1 U7.3 | length 357.5
  Top Layer w10: U7.3 4200,1880 4227,1853 4227,1777 4200,1750 C8.1@4172.6,1750
NetC8_2: C8.2 U7.1 | length 88.7
  Top Layer w10: U7.1 4026.71,1775.57 4059.43,1775.57 4073.5,1761.5 4087.82,1761.5 4097.4,1751.92 C8.2@4097.4,1750
NetC11_2: C11.2 L1.1 U4.3 | length 401.1
  Top Layer w30: U4.3 2691.69,4401.69 2772.17,4482.17 2824.76,4482.17 C11.2 2825.24,4482.17 2917.83,4482.17 L1.1
NetC14_2: C14.2 U7.2 | length 75.1
  Top Layer w10: U7.2 C14.2
NetC15_1: C15.1 U7.5 | length 192.9
  Top Layer w10: U7.5 4160,1980 4172.6,1967.4 C15.1
NetC15_2: C15.2 U7.4 | length 75.1
  Top Layer w10: U7.4 C15.2
NetC16_2: C16.2 U7.6 | length 75.1
  Top Layer w10: U7.6 C16.2
NetC17_1: C17.1 U8.3 | length 357.5
  Top Layer w10: C17.1 1745,2210 1718,2183 1718,2107 1745,2080 U8.3
NetC17_2: C17.2 U8.1 | length 88.7
  Top Layer w10: C17.2 1847.6,2208.08 1857.18,2198.5 1871.5,2198.5 1885.57,2184.43 1918.29,2184.43 U8.1
NetC19_2: C19.2 U8.2 | length 75.1
  Top Layer w10: C19.2 U8.2
NetC22_1: C22.1 U8.5 | length 192.9
  Top Layer w10: C22.1 1772.4,1992.6 1785,1980 U8.5
NetC22_2: C22.2 U8.4 | length 75.1
  Top Layer w10: C22.2 U8.4
NetC23_2: C23.2 U8.6 | length 75.1
  Top Layer w10: C23.2 U8.6
NetD6_1: D6.1 R4.1 | length 124.2
  Top Layer w10: R4.1 1702.4,4012.6 1712.44,4002.56 D6.1
NetF1_2: F1.2 J1.1 J1.2 J1.3 | length 542.7
  Top Layer w20: J1.2 4325.61,4220 4367,4178.61 4411.39,4178.61 J1.1 J1.3
  Top Layer w35: J1.1 4521.26,4068.74 F1.2
NetF2_2: F2.2 J2.1 J2.2 J2.3 | length 585
  Top Layer w20: J2.2 4325.61,3305 4367,3263.61 4411.39,3263.61 J2.1 J2.3
  Top Layer w35: J2.1 4420,3000.5 4440.5,2980 F2.2
NetF3_2: F3.2 J3.1 J3.2 J3.3 | length 565.6
  Top Layer w20: J3.2 4325.61,2390 4367,2348.61 4411.39,2348.61 J3.1 J3.3
  Top Layer w35: J3.1 4420,2115 4465,2070 F3.2
NetF4_2: F4.2 J4.1 J4.2 J4.3 | length 508.2
  Top Layer w20: J4.2 4310.61,1500 4352,1458.61 4396.39,1458.61 J4.1 J4.3
  Top Layer w35: F4.2 4145,1340 J4.2
NetF5_2: F5.2 J5.1 J5.2 J5.3 | length 865.4
  Top Layer w20: J5.3 J5.1 1538.61,2681.39 1583,2681.39 1624.39,2640 J5.2
  Top Layer w35: F5.2 1473.74,2231.26 1415,2290 1415,2565 1440,2590 J5.3
NetF6_2: F6.2 J6.1 J6.2 J6.3 | length 881
  Top Layer w20: J6.3 J6.1 1538.61,1791.39 1583,1791.39 1624.39,1750 J6.2
  Top Layer w35: F6.2 v1(1795,1350) v1(1795,1390)
  Bottom Layer w35: J6.2 1725,1750 1795,1680 v1(1795,1390) v1(1795,1350)
NetR1_1: R1.1 U1.5 | length 1403.3
  Top Layer w10: R1.1 1090,3865 1070,3845 1070,3170 1135,3105 1500,3105 1550,3055 U1.5@1550,3005
NetR2_1: R2.1 U1.9 | length 162.4
  Top Layer w10: R2.1 U1.9@1950,2965
NetR3_1: R3.1 U1.10 | length 162.4
  Top Layer w10: R3.1 U1.10@2050,2965
NetR5_1: R5.1 U1.14 | length 1740.4
  Top Layer w10: v1(3425,4025) R5.1
  Bottom Layer w10: U1.14@2450,3005 2690,3245 3175,3245 3280,3350 3280,3880 v1(3425,4025)
NetR6_1: R6.1 U1.15 | length 1669.6
  Top Layer w10: U1.15@2550,3005 v1(2550,3170) ; v1(3340,4025) R6.1
  Bottom Layer w10: v1(2550,3170) 2660,3280 3155,3280 3245,3370 3245,3930 v1(3340,4025)
PRG_LED: J7.3 R1.2 | length 181
  Top Layer w10: R1.2 1091.2,4063.8 1268.8,4063.8 J7.3
RS232_0_RX: J5.8 U8.13 | length 685.5
  Top Layer w10: J5.8 1860,2340 2020,2180 2020,2095 2085,2030 U8.13
RS232_0_TX: J5.7 U8.14 | length 785.5
  Top Layer w10: J5.7 1865,2390 2055,2200 2055,2115 2090,2080 U8.14
RS232_1_RX: J6.8 U8.8 | length 561.4
  Top Layer w10: J6.8 1690,1450 1790,1550 1790,1740 1880,1830 U8.8
RS232_1_TX: J6.7 U8.7 | length 661.4
  Top Layer w10: J6.7 1685,1500 1750,1565 1750,1755 1875,1880 U8.7
RS232_2_RX: J3.8 U7.13 | length 1026.3
  Top Layer w10: U7.13 3855,1930 3880,1955 3880,2140 4135,2395 4135,2550 4275,2690 J3.8
RS232_2_TX: J3.7 U7.14 | length 1135
  Top Layer w10: U7.14 3865,1880 3905,1920 3905,2125 4170,2390 4170,2540 4270,2640 J3.7
RS232_3_RX: J4.8 U7.8 | length 561.9
  Top Layer w10: U7.8 4165,2130 4320,1975 J4.8@4320,1775
RS232_3_TX: J4.7 U7.7 | length 890.3
  Top Layer w10: U7.7 3975,2080 3960,2095 3960,2140 3990,2170 4180,2170 4420,1930 J4.7@4420,1725
RS232_4_RX: J1.8 U6.13 | length 893.5
  Top Layer w10: U6.13 3860,3920 3880,3940 3880,4175 4225,4520 J1.8
RS232_4_TX: J1.7 U6.14 | length 990.5
  Top Layer w10: U6.14 3870,3870 3915,3915 3915,4145 4240,4470 J1.7
RS232_5_RX: J2.8 U6.8 | length 722.8
  Top Layer w10: U6.8 4175,4120 4320,3975 J2.8
RS232_5_TX: J2.7 U6.7 | length 1072.4
  Top Layer w10: U6.7 3980,4070 3955,4095 3955,4125 3995,4165 4195,4165 4420,3940 J2.7
SPI1_CS_N: J13.2 U1.17 | length 2133.2
  Top Layer w10: U1.17@2750,3005 2750,3065 2775,3090 2895,3090 2975,3170 v1(2975,3325)
  Bottom Layer w10: v1(2975,3325) 3145,3325 3210,3390 3210,3965 3615,4370 J13.2
SPI1_MISO: J13.5 U1.16 | length 2334
  Bottom Layer w10: U1.16@2650,3005 2650,3015 2845,3210 3195,3210 3315,3330 3315,3845 3480,4010 3480,4165 3915,4600 J13.5
SPI1_MOSI: J13.3 R6.2 | length 632.7
  Top Layer w10: R6.2 3340,4235 J13.3
SPI1_SCK: J13.4 R5.2 | length 638.9
  Top Layer w10: R5.2 3425,4170 3815,4560 J13.4
SS_BLANK0: J8.9 U1.12 | length 1200.2
  Top Layer w10: U1.12@2250,2965 2250,2615 2320,2545 2825,2545 2918.5,2451.5 J8.9
SS_CLK: J8.12 R2.2 | length 1154.3
  Top Layer w10: R2.2 1950,2670 2205,2415 2725,2415 2765,2375 2765,2290.98 J8.12
SS_D: J8.11 R3.2 | length 1015.8
  Top Layer w10: R3.2 2050,2645 2240,2455 2765,2455 2818.5,2401.5 J8.11
SS_LAT: J8.10 U1.11 | length 1350.5
  Top Layer w10: U1.11@2150,2965 2150,2620 2270,2500 2790,2500 2865,2425 2865,2290.98 J8.10
SW_1: J9.1 U1.34 | length 3003.1
  Top Layer w10: U1.34@1750,3705 1880,3575 3590,3575 3770,3395 3770,2710 J9.1
SW_2: J10.1 U1.32 | length 2438.7
  Top Layer w10: U1.32@1950,3705 2045,3610 3615,3610 3810,3415 3810,3069.61 J10.1
SW_3: J11.1 U1.31 | length 1970.8
  Top Layer w10: U1.31@2050,3705 2115,3640 3639.21,3640 J11.1
TEST_LED_0: R4.2 U1.4 | length 1749.1
  Top Layer w10: v1(1650,3885) R4.2
  Bottom Layer w10: U1.4@1450,3005 1300,3155 1115,3155 1040,3230 1040,3760 1039.14,3760.86 1163.28,3885 v1(1650,3885)
UART0_RX: U1.2 U8.12 | length 1933.5
  Top Layer w10: U1.2@1250,2965 1250,2880 1265,2865 1445,2865 1510,2800 1630,2800 2135,2295 2295,2295 2370,2220 2370,2010 v1(2340,1980) ; U8.12 v1(2210,1980)
  Bottom Layer w10: v1(2210,1980) v1(2340,1980)
UART0_TX: U1.1 U8.11 | length 1976.7
  Top Layer w10: U1.1@1150,2965 1150,2875 1195,2830 1430,2830 1495,2765 1610,2765 2115,2260 2285,2260 2340,2205 2340,2030 2240,1930 U8.11
UART1_RX: U1.7 U8.9 | length 1732.3
  Top Layer w10: U1.7@1750,2965 1750,2800 2175,2375 2315,2375 2440,2250 2440,1955 2315,1830 U8.9
UART1_TX: U1.6 U8.10 | length 1697.7
  Top Layer w10: U1.6@1650,2965 1650,2840 2155,2335 2305,2335 2405,2235 2405,1975 2310,1880 U8.10
UART2_RX: U1.20 U7.12 | length 1449.8
  Top Layer w10: U1.20@3050,2965 3050,2860 3070,2840 3270,2840 3650,2460 3650,2080 3750,1980 U7.12
UART2_TX: U1.19 U7.11 | length 1619.7
  Top Layer w10: U1.19@2950,2965 2950,3005 2950,3065 2970,3085 3075,3085 3685,2475 3685,2105 3760,2030 U7.11
UART3_RX: U1.22 U7.9 | length 1952.4
  Top Layer w10: v1(3090,3375) 3090,3180 3755,2515 3755,2145 3770,2130 U7.9
  Bottom Layer w10: U1.22@2950,3705 2950,3515 v1(3090,3375)
UART3_TX: U1.21 U7.10 | length 2001
  Top Layer w10: v1(3050,3470) 3050,3170 3725,2495 3725,2125 3770,2080 U7.10 ; U1.21@3050,3705 U1.21@3050,3745
  Bottom Layer w10: v1(3050,3470) U1.21@3050,3705
UART4_RX: U1.25 U6.12 | length 1304.7
  Top Layer w10: v1(2850,3865) 3590,3865 3695,3970 U6.12
  Bottom Layer w10: U1.25@2650,3705 2650,3760 2755,3865 v1(2850,3865)
UART4_TX: U1.24 U6.11 | length 1241.1
  Top Layer w10: U1.24@2750,3745 2750,3855 2800,3905 3580,3905 3695,4020 U6.11
UART5_RX: U1.27 U6.9 | length 1573.7
  Top Layer w10: U1.27@2450,3745 2450,3840 2585,3975 3530,3975 3675,4120 U6.9
UART5_TX: U1.26 U6.10 | length 1450.1
  Top Layer w10: U1.26@2550,3745 2550,3835 2655,3940 3555,3940 3685,4070 U6.10
VCC: C6.2 C10.2 F1.1 F2.1 F3.1 F4.1 F5.1 F6.1 J8.1 J8.2 J8.3 J8.4 J12.1 J14.1 U2.1 U4.1 | length 14236.1
  Top Layer w35: 2275,4885 2278.31,4881.69 U4.1 ; 2570,1070 2573.31,1073.31 U2.1 ; J8.3 J8.4 3218.5,2081.5 3225,2075 ; F3.1 4888.52,2070 ; F2.1 4883.52,2980 4888.52,2985 ; F1.1 4888.52,3890
  Top Layer w40: 1900,1070 1905,1075 ; 3225,1070 3225,2075 3318.5,2168.5 J8.2 J8.1
  Top Layer w75: F5.1@1305,2070 1160,2070 1085,1995 1085,1765 1400,1450 1400,1205 1535,1070 1900,1070 2570,1070 3225,1070 4420,1070 4540,1190 4540,1450 4888.52,1798.52 4888.52,2070 4888.52,2985 4888.52,3890 4888.52,4351.48 4785,4455 4620,4455 4190,4885 2275,4885 1795,4885 1543,4633 J12.1
pads on no net: J1.0 J2.0 J3.0 J4.0 J5.0 J6.0 J12.3 J14.3 U1.0 U1.30 U1.35 U1.37 U1.40 U1.TP1 U1.TP2 U1.TP3 U1.TP4 U1.TP5 U1.TP6 U2.2 U4.2

## Polygon pours and split planes (outlines as drawn)
GND on Bottom Layer "GND_L02_P000" (solid, remove dead copper, pour order 0): 995,4940 4940,4940 4940,1000 995,1000
GND on Top Layer "GND_L01_P001" (solid, remove dead copper, pour order 1): 995,4940 4940,4940 4940,1000 995,1000

## Keep-outs
Keep-Out Layer:
  the board outline again, w1.97

## Silkscreen, mask and mechanical layers (free items; w line width, h text height)
Top Overlay:
  text "'.Codename'  / REV:'.HardRev'" at 2495,2580 h62
Bottom Overlay:
  drawing of 90 lines, arcs and shapes, not listed
  text "https://github.com/forshee9283/shooting_gallery" at 3924,1056.33 h31
Top Solder:
  text "é" at 3670,1315 h650
Bottom Solder:
  text "é" at 3870,1275 h650
Mechanical 1:
  the board outline again, w1.97

## Text inside footprints (layer, text, board x,y; h text height)
M1: Bottom Overlay "JLCJLCJLCJLC" at 4625.15,1047.87 h33.46